# KiCad board IotThermalCamera.kicad_pcb (continued)
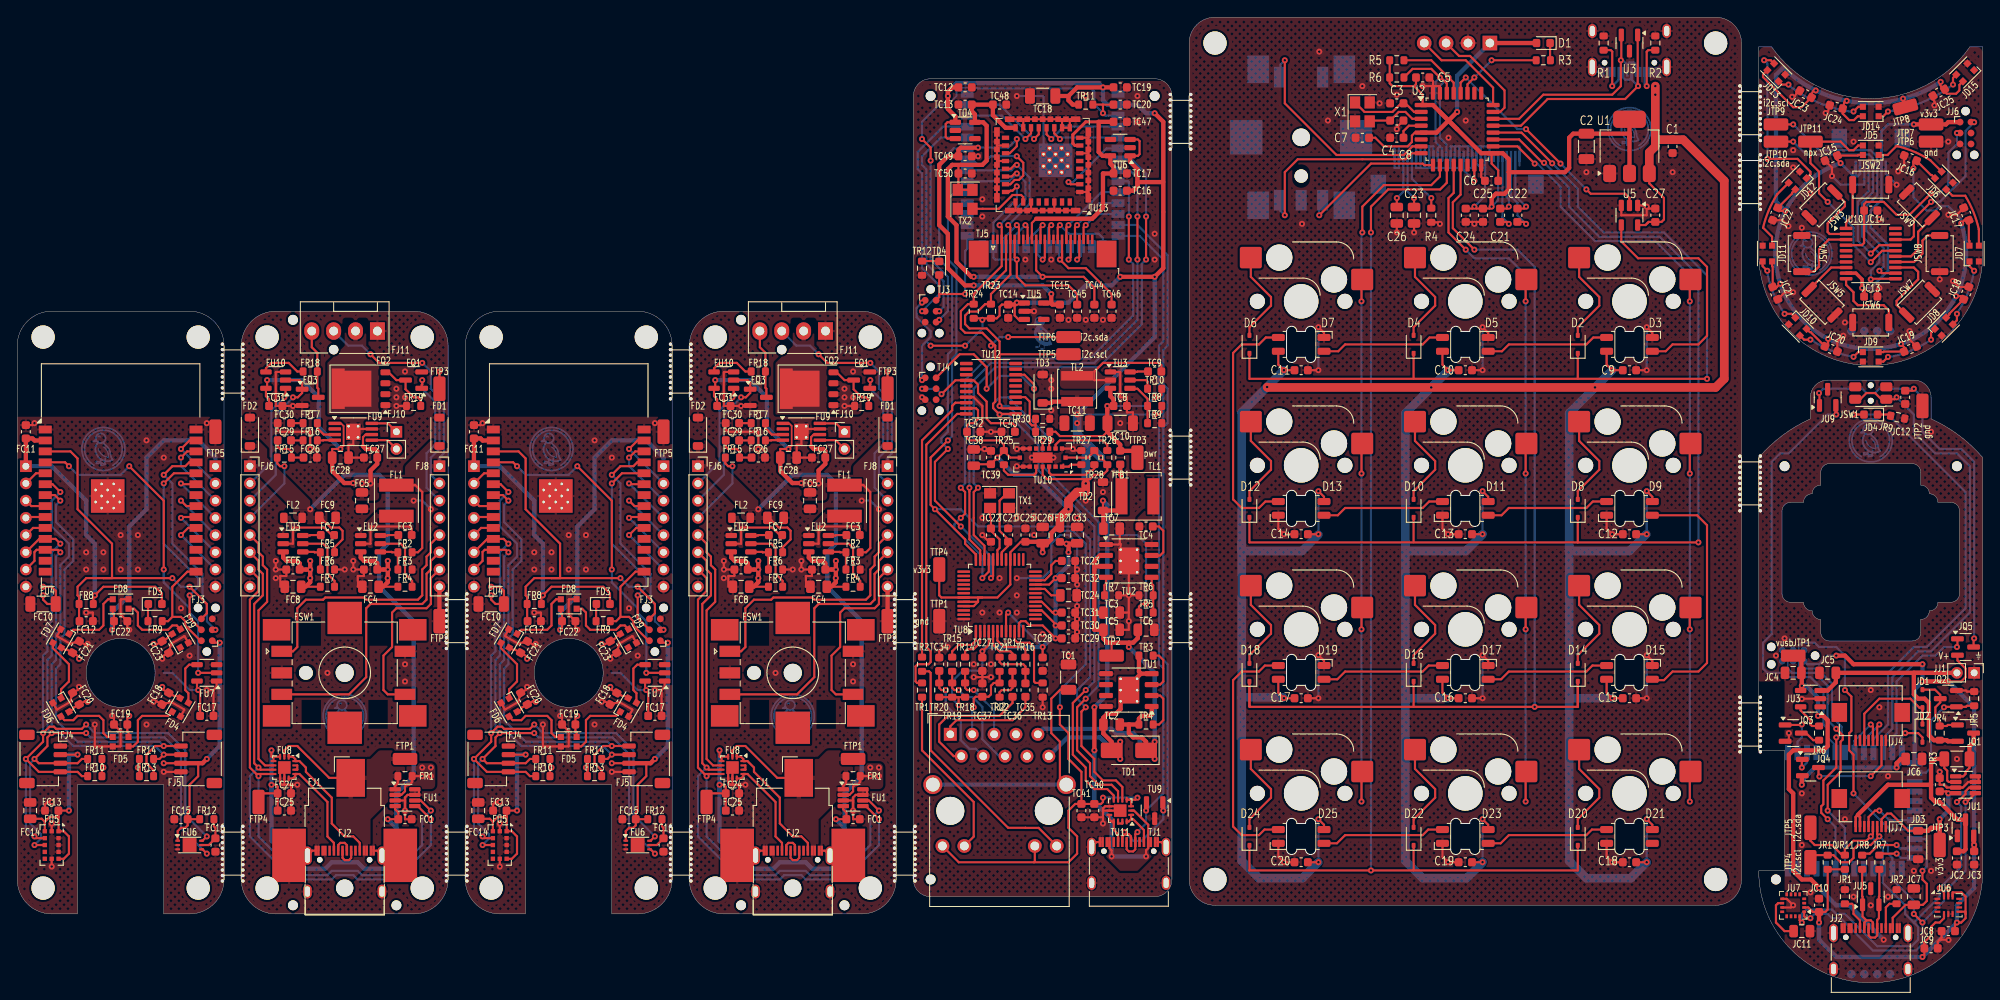
[diagram p0: board, top side]
## Routing (per net, layer and track width the routed paths; a pad name or vN(x,y) marks a point on that pad's centre or on a via; arc(x,y) is an arc through that point) (continued)
Tgnd: length 142.5
  Front w0.25: v1(105,68) 105.27,67.73 TJ4.5 ; TU13.15 116.75,100.31 ; 116.75,100.31 TU13.33 ; 116.75,100.31 121.25,100.31 ; TC29.2 122.78,40.53 v1(123,40.75) 122.78,40.97 TC30.2 122.78,42.03 v1(123,42.25) 122.78,42.47 TC31.2 ; TR13.1 v1(119,32) ; 121.25,100.31 122.25,100.31 ; 121.25,100.31 TU13.10 TU13.9 122.15,100.2 122.25,100.31 ; 122.25,100.31 TU13.33 ; TU13.25 115.85,89.75 115.8,89.69 ; v1(129,45) TR6.2 ; v1(129,45) v1(129,42) 129,41 TC5.2 ; v1(129,45) TR7.1 ; v1(129,45) TU2.9 ; TC43.2 v1(113,64) TC42.2 111.78,64.78 112,65 112,67 110.97,68.03 TU12.7 ; 124.31,91.8 124.31,96.4 ; 124.31,91.8 TU13.33 ; 124.31,91.8 124.25,91.85 TU13.1 ; 124.31,96.4 124.25,96.35 TU13.6 ; 124.31,96.4 124.31,98.2 ; TU10.C1 122.45,62.05 v1(122.5,62) 122.67,61.82 TR27.1 ; 127.5,20 TU11.9 126,20 ; v1(107.96,39.02) 107.52,39.02 107,38.5 TC34.2 ; 127.95,53 127.95,51.05 ; 127.95,51.05 128.05,50.96 TU2.9 ; 127.95,51.05 127.81,50.91 TU2.1 ; TU3.1 128,70.95 128,68 128.78,68 TC8.2 128.78,66.28 128.8,66.25 129.47,66.25 TC10.2 ; 113.69,97.25 TU13.33 ; 113.69,97.25 TU13.18 ; 113.69,97.25 TU13.33 ; v1(120.25,61) TU10.B4 v1(117.75,61) ; TJ1.A1 125.25,16.34 TJ1.S1 ; v1(116,62) 116.05,62.05 TU10.C7 TU10.C6 ; TC32.2 122.78,47.78 v1(123,48) 122.78,48.22 TC23.2 ; 126,19.22 TC40.2 TC41.2 ; TU13.27 117.65,89.75 117.6,89.69 ; 124.31,98.2 TU13.33 ; 124.31,98.2 124.25,98.15 TU13.8 ; 120.4,89.69 TU13.33 ; 120.4,89.69 117.6,89.69 ; 120.4,89.69 120.35,89.75 TU13.30 ; TC3.2 129,43 ; 126,20 126,20.25 126.25,20.5 TU11.8 127.5,20.5 ; 126,20 v1(126,18.5) ; 117.6,89.69 115.8,89.69 ; 113.75,95.5 113.8,95.45 TU13.20 ; v1(111,35.5) v1(113,35.5) ; TJ1.A12 132.75,16.34 TJ1.S1 ; 115.8,89.69 TU13.33 ; 111.62,36.22 TC27.2 TC37.2 111.83,34.78 ; TU10.A6 TU10.A7 116.05,59.95 v1(116,60) ; TC39.2 112.47,61.78 v1(112.25,62) 112.2,61.95 TC38.2 ; v1(112,52) 113,51
  Front w0.5: TU5.2 v1(118,78)
  Back w0.25: TU7#2.41 119.1,102.9 119,103 v1(116,103) ; v1(123,40.75) v1(123,48) 123,51 122,52 121,52 120,51 120,48 119,47 v1(116,47)
  vias: v1(111,37) v1(111.5,96) v1(112,91) v1(112,89) v1(112,54) v1(112,43) v1(113,37) v1(114,47) v1(114,43) v1(116,54) v1(116,45) v1(116,43) v1(117,84) v1(118,54) v1(118,52) v1(119,40.5) v1(120,84) v1(120,70) v1(120,69) v1(120,66.5) v1(120,54) v1(122,77) v1(122,38) v1(123,54) v1(123,46.25) v1(123,43.75) v1(124,103) v1(124,77) v1(124,56) v1(126,77) v1(126,57) v1(128,65) v1(130,103) v1(130,100) v1(132,87) v1(132,84)
Ti2c_chain_0.scl: length 109.3
  Front w0.25: 114,73 114,74.5 112.5,76 110.5,76 110,76.5 110,77.5 110.47,77.97 111.47,77.97 112.33,78.83 TR23.2 ; 114,73 TTP5.1 ; 114,73 v1(114,67) 114.28,66.72 TU12.12 ; TR23.2 113,80 115.25,82.25 TJ5.5 115.25,87.75 v1(115,88) ; TR23.2 112.83,78.83 ; v1(116,95) 115.75,95 115.3,94.55 TU13.21 ; v1(119,63) TU10.C4 ; v1(124,33) 123,32 123,27 124.5,25.5 124.5,24 125.5,23 127,23 127.75,22.25 TU11.6
  Back w0.25: v1(124,33) 125.5,34.5 125.5,53.5 119,60 v1(119,63) 115,67 v1(114,67) ; TU7#2.33 115.37,94.37 v1(116,95) 117.5,93.5 117.5,90.5 v1(115,88)
Ti2c_chain_0.sda: length 119.8
  Front w0.25: TU10.C3 119.75,62.75 v1(120,63) ; TU13.22 115.4,93.65 115.75,94 v1(116,94) ; TU11.7 127.25,21.75 126.5,22.5 125,22.5 124,23.5 124,25 122.5,26.5 122.5,32.5 v1(124,34) ; TTP6.1 v1(115,75) ; v1(114,88) 114.25,87.75 TJ5.3 114.25,83.25 111,80 TR24.2 110.33,78.83 109.5,78 109.5,76 110,75.5 112,75.5 113.5,74 113.5,67.5 113.25,67.25 113.25,66.75 v1(114,66) 114.08,66.07 TU12.11
  Back w0.25: v1(120,63) 115,68 114,68 113.25,67.25 113.25,66.75 v1(114,66) 115,66 118.5,62.5 118.5,59.5 125,53 125,35 v1(124,34) ; v1(114,88) 117,91 117,93 v1(116,94) 115.1,93.1 TU7#2.32 ; v1(115,75) 114,75 v1(113,74)
Tioe.ic.nrst: length 16.7
  Front w0.25: TC43.1 115.78,64.72 115.5,65 113,65 112.5,65.5 112.5,67.5 111.5,68.5 111.5,69.47 111,69.97 TU12.4 108.87,69.97 v1(107.26,68.37) ; TJ4.3 v1(105,69)
  Back w0.25: v1(107.26,68.37) 106.63,69 v1(105,69)
Tioe.ic.swio: length 20.1
  Front w0.25: v1(118,69) 118,69.5 116.88,70.62 TU12.18 ; 106.73,70.27 TJ4.2 109.36,73 111,73 112.5,71.5 v1(112.5,69)
  Back w0.25: v1(112.5,69) 114,70.5 116.5,70.5 v1(118,69)
Tledr.package.k: length 2
  Front w0.25: TD4.1 106.96,83.83 TR12.1
Tmcu.program_boot_node: length 12.9
  Front w0.25: 107,80 107,79.64 TJ3.2 ; 107,80 TD4.2 ; 107,80 v1(110,80)
  Back w0.25: TU7#2.27 110.25,85.25 110,85 v1(110,80)
Tmcu.program_en_node: length 55.6
  Front w0.25: v1(107,77) 106.73,76.73 TJ3.6 ; 126,102 v1(126,101) ; 126,102 TR11.2 ; 126,102 TC20.1 ; v1(106,95.5) 106,97 v1(105,98)
  Back w0.2: 111.5,103.88 111.42,103.96 109.17,103.96 109,103.79 109,103 108,102
  Back w0.25: v1(107,77) 108,78 108,82 106,84 v1(106,95.5) ; 108,102 107,102 105,100 v1(105,98) ; TU7#2.3 126.28,100.72 v1(126,101) 125,102 125,103.5 124.62,103.88 111.5,103.88
Tmcu.program_uart_node.a_tx: length 25.8
  Front w0.25: TJ3.4 v1(107,78)
  Back w0.25: v1(107,78) 107.5,78.5 107.5,81.5 105.5,83.5 105.5,94.5 105,95 105,96 107.18,98.18 TU7#2.36
Tmcu.program_uart_node.b_tx: length 27.7
  Front w0.25: TJ3.3 v1(105,78)
  Back w0.25: TU7#2.37 107.45,99.45 104.5,96.5 104.5,94.5 105,94 105,83 107,81 107,80 v1(105,78)
Tpd.ic.vconn: length 1
  Front w0.25: TU11.13 128.25,18.5 127.75,18.5 TU11.12
Tphy.cs: length 59.2
  Front w0.25: v1(113,47) 113.25,47.25 TU8.32 ; v1(108,62) 106.5,60.5 106.5,56 v1(109.5,53)
  Back w0.25: v1(109.5,53) 113,49.5 v1(113,47) ; TU7#2.35 108.66,96.91 107,95.25 107,84 108.5,82.5 108.5,73.5 108,73 108,64 107.25,63.25 107.25,62.75 v1(108,62)
Tphy.ic.avdd: length 67.1
  Front w0.25: TU8.8 114.75,42.75 v1(115,43) ; TU8.4 112.75,39.25 v1(112,38.5) TC27.1 ; TU8.11 116.25,41.75 116.5,42 117,42 117.5,41.5 119,41.5 v1(120.5,40) ; TR20.1 TR18.1 ; TC31.1 120.15,43 118.9,44.25 TU8.17 ; TC28.1 v1(119,39) ; TC30.1 v1(120.5,41.5) 120.5,41.65 118.9,43.25 TU8.15 ; v1(121.75,51) 121.21,51 TFB2.2 ; TR19.1 109.25,33.18 v1(109.25,32.25) ; TC32.1 v1(120.5,47) 119.75,46.25 TU8.21
  Front w0.5: v1(122,50) 122,51 ; v1(121.75,51) 122.95,51 TC33.1
  Back w0.25: v1(115,43) v1(119,39) ; v1(109.25,32.25) 108.5,33 108.5,35 109.75,36.25 111.5,36.25 112,36.75 v1(112,38.5)
  Back w0.5: v1(121.75,51) 122,50.75 v1(122,50) 122,48.5 v1(120.5,47) v1(120.5,40) 120,40 v1(119,39) 112.5,39 v1(112,38.5)
  vias: v1(120.5,43)
Tphy.ic.crystal.xtal_in: length 9
  Front w0.25: TU8.30 114.25,50 115,50.75 TC21.1 115,51.5 114,52.5 114,56 114.85,56.85 TX1.1
Tphy.ic.crystal.xtal_out: length 6.5
  Front w0.25: TX1.3 112.9,54.1 113,54 TC22.1 113,52.5 114,51.5 114,50.5 113.75,50.25 TU8.31
Tphy.ic.exres1: length 8.7
  Front w0.25: TR13.2 118.17,34.82 118,35 118,38.99 117.49,39.5 116.1,39.5 115.75,39.85 TU8.10
Tphy.ic.rxn: length 4.7
  Front w0.25: TU8.5 113.25,39.25 114,38.5 115.25,38.5 115.5,38.25 TR17.1
Tphy.ic.rxp: length 5.7
  Front w0.25: TR16.1 117,38.75 116.75,39 114.5,39 113.75,39.75 TU8.6
Tphy.ic.tocap: length 3.2
  Front w0.25: TU8.20 119.25,45.75 120,45 TC24.1
Tphy.ic.txn: length 5
  Front w0.25: TR15.1 108.5,38.5 109.25,39.25 110.75,39.25 111.25,39.75 TU8.1
Tphy.ic.txp: length 4.2
  Front w0.25: TU8.2 111.75,39.5 111,38.75 110.25,38.75 110,38.5 TR14.1
Tphy.ic.v1v20: length 4.6
  Front w0.25: TC23.1 120.5,49 120,48.5 120,47.5 119.25,46.75 TU8.22
Tphy.int: length 102
  Front w0.25: TU8.36 111.25,49.75 110,51 110,51.5 106,55.5 106,61 v1(108,63) ; TU11.5 128.25,22.75 127.5,23.5 126,23.5 125,24.5 125,26 123.5,27.5 123.5,31.5 v1(124,32)
  Back w0.25: v1(106.5,55) 109.5,55 111.5,53 123,53 124.5,51.5 124.5,35.5 123,34 123,33 v1(124,32) ; v1(108,63) 108.5,63.5 108.5,72.5 109,73 109,83 108,84 108,91 108.83,91.83 TU7#2.31
Tphy.rxn_damp.b: length 4.2
  Front w0.25: TR17.2 TC36.2 115.5,34.25 115.25,34 114.25,34 114,33.75 TR22.1
Tphy.rxp_damp.b: length 5.7
  Front w0.25: TR21.1 114,37.25 114.25,37 116.75,37 117,36.75 TR16.2 117,34.82
Tphy.spi.miso: length 65
  Front w0.25: TU8.34 112.25,50.75 111,52 111,57 v1(111.5,57.5) ; v1(131,84) v1(131,89)
  Back w0.25: TU7#2.7 129.36,95.64 131,94 v1(131,89) ; v1(111.5,57.5) 111,58 111,69 113.5,71.5 125.5,71.5 130.5,76.5 130.5,83.5 v1(131,84)
Tphy.spi.mosi: length 62.6
  Front w0.25: v1(110.5,57.5) 110.5,51.5 111.75,50.25 TU8.35 ; v1(130,84) v1(130,89)
  Back w0.25: v1(130,84) 130,77 125,72 113,72 110.5,69.5 v1(110.5,57.5) ; v1(130,89) 130,93.5 129.13,94.37 TU7#2.8
Tphy.spi.sck: length 67.4
  Front w0.25: v1(129,84) v1(129,89) ; TU8.33 112.75,47.75 v1(112,47) ; v1(109.5,54) 110,54.5 110,57 v1(109.5,57.5)
  Back w0.25: v1(109.5,54) 108.75,53.25 108.75,52.75 112,49.5 v1(112,47) ; v1(129,89) 129,93 128.9,93.1 TU7#2.9 ; v1(109.5,57.5) 110,58 110,70 112.5,72.5 124.5,72.5 129.5,77.5 129.5,83.5 v1(129,84)
Tpoe.ic.cls: length 5.4
  Front w0.25: TU1.3 132.63,34.63 133,35 133,37.5 132.5,38 TR3.2
Tpoe.ic.den: length 5.4
  Front w0.25: TR4.2 132.5,30 133,30.5 133,33 132.63,33.37 TU1.2
Tpoe.poe.neg: length 13.5
  Front w0.5: TR3.1 130.18,36.13 130.41,35.91 ; v1(128,26) v1(128,28) ; TU1.4 130.41,35.91 ; 130.41,35.91 130,35.5 ; TU1.9 128.05,31.79 127.5,31.25 126.5,31.25 126.05,30.8 TC2.2 126.05,28.95 127,28 TD1.2
Tpoe.pwr_out: length 48.9
  Front w0.25: TTP2.1 127,39.5
  Front w0.5: v1(129,39) 129,39.5 ; 129,39.5 126.5,39.5 126.05,39.95 TC5.1 125,41 125,43 ; 129,39.5 129.5,39.5 130.05,40.05 TC6.1 ; TU2.3 125,48.37 ; 132,27 TD1.1 131,28 130.5,28.5 129.5,28.5 129,29 129,30 ; 132,27 v1(132,28) ; 132,27 v1(132,26) ; 125,43 125,49 125.64,49.63 TU2.2 ; 125,43 TC3.1 ; 129,30 TC2.1 ; 129,30 TR4.1 130.18,30.68 130.5,31 131.5,31 131.65,31.15 TU1.1
  Back w0.5: 132,27 v1(132,28) 132,36 v1(129,39) ; 132,27 v1(132,26) ; 132,27 TJP1.2
Tpoe_sense.output: length 6.6
  Front w0.25: TU12.14 116.97,68.03 117.5,67.5 117.5,65 117.75,64.75 118.17,64.75 ; TR29.2 118.17,64.75 ; 118.17,64.75 TR30.1
Tpwr: length 25
  Front w0.25: v1(132,68) 132.5,68 132.78,68.28 132.78,69 ; TR29.1 120.5,64 121,63.5 126,63.5 126.47,63.97 126.53,63.97
  Front w0.5: TC10.1 126.53,63.97 128,62.5 TFB1.2 129.71,61.79 130,61.5 ; TU3.3 126.86,68.14 127.22,67.78 TC8.1 v1(126.5,67) 126.5,65.55 126.53,65.53
  Back w0.25: v1(126.5,67) 131,67 v1(132,68)
Treg_3v3.ic.boot: length 2.1
  Front w0.25: TC9.1 130,71 129.95,70.95 TU3.6
Treg_3v3.ic.en: length 2.9
  Front w0.25: TR10.2 131.18,69.82 131,70 TU3.5
Treg_3v3.ic.fb: length 5.5
  Front w0.25: 129,69 130,69 131.18,67.82 TR8.2 TR9.1
Treg_3v3.ic.sw: length 11.9
  Front w0.25: TU3.2 125,70 125,71 126,72 132.5,72 132.78,71.72 TC9.2
Treg_poe.ic.boot: length 5.4
  Front w0.25: TC4.1 132.5,53 133,52.5 133,50 132.63,49.63 TU2.7
Treg_poe.ic.fb: length 4.2
  Front w0.25: TR5.2 TR6.1 131.82,46.18 131.65,46.35 TU2.5
Treg_poe.ic.rt: length 2.2
  Front w0.25: TR7.2 126.17,46.18 126.35,46.35 TU2.4
Tusb.cc.cc1: length 3.7
  Front w0.25: TJ1.A5 127.75,17.25 127.25,17.75 TU11.11 127,18.74 126.74,19 TU11.10
Tusb.cc.cc2: length 4.8
  Front w0.25: 129.26,19.01 129.49,19.01 130.75,17.75 TJ1.B5 ; 129.26,19.01 TU11.1 129.5,19.5 ; 129.26,19.01 128.99,18.74 TU11.14
Tusb.pwr: length 78.4
  Front w0.25: v1(127,14.68) 127,15.39 126.75,15.64 TJ1.B9 ; v1(131,14.68) 131,15.39 131.25,15.64 TJ1.B4 131.25,18.35 129.6,20 TU11.2 ; TR5.1 130.18,43.68 130.5,44 v1(131,44) ; v1(126,56) TD2.1
  Front w0.5: TL1.2 128.15,58.85 128,59 TFB1.1 ; 128,55 127.85,54.85 TD2.1 126.05,54.8 TC7.1 ; 126,53.05 126.05,53 ; v1(125,32) v1(125,27)
  Back w0.25: v1(131,44) 131,51 130,52 126.5,52 126.5,52.5
  Back w0.5: v1(125,32) 126.5,33.5 126.5,55.5 v1(126,56) ; v1(125,27) 125,21 127,19 v1(127,14.68) v1(131,14.68)
Tusb_chain_0.d_N: length 83.4
  Front w0.25: 128.5,17.25 129,17.25 129.25,17 TJ1.A7 ; 128.5,17.25 v1(128.5,17.5) ; 128.5,17.25 128.25,17 TJ1.B7 ; v1(133,20) 132.95,20.05 TU9.1
  Back w0.25: v1(128.5,17.5) 129.5,16.5 130.5,16.5 133,19 v1(133,20) 133.5,20.5 133.5,37 133,37.5 133,64.5 133.5,65 133.5,69 133,69.5 133,73.5 133.5,74 133.5,84.5 129.98,88.02 TU7#2.13
Tusb_chain_0.d_P: length 80.1
  Front w0.25: TU9.2 131.05,20.05 v1(131,20) ; TJ1.A6 128.75,15.5 129,15.25 129.5,15.25 129.75,15.5 TJ1.B6 129.75,17.25 v1(130,17.5)
  Back w0.25: TU7#2.14 130.25,86.75 133,84 133,74.5 132.5,74 132.5,69 133,68.5 133,65.5 132.5,65 132.5,37 133,36.5 133,22 v1(131,20) 131,18.5 v1(130,17.5)
Tv1v2: length 30.9
  Front w0.25: TJ5.10 117.75,88.25 118.25,88.75
  Front w0.35: TU13.7 122.75,97.25 122.5,97.5 122.5,98.5 124,100 125.5,100
  Front w0.5: TC47.1 125.5,100 125.5,96.5 125.95,96.05 TU6.5 126.86,95.14 127.22,94.78 ; 127.22,94.78 127,95 ; 127.22,94.78 TC17.1 126,94 126,90 124.75,88.75 118.25,88.75
Tv2v8: length 47.9
  Front w0.25: v1(116,98) 116,97.17 115.18,96.35 TU13.19 ; TJ5.4 114.75,82.75 v1(113,81)
  Front w0.5: v1(120,80) 120,79 119.95,78.95 ; v1(111.5,97) 109.5,97 109.22,96.72 TC49.1 108,96 107,95 107,88 108,87 108,83 110,81 v1(111,81) ; 119.95,78.95 120.12,78.78 TC15.1 ; 119.95,78.95 TU5.5
  Back w0.25: v1(111.5,97) 115,97 v1(116,98)
  Back w0.5: v1(111,81) v1(113,81) 119,81 v1(120,80)
Tv3v0: length 59.9
  Front w0.25: 109.5,95 109.22,95 TC50.1 109.22,92.17 TX2.1 TX2.4 ; TJ5.11 118.25,82.75 v1(119,82) 123.75,82 125,80.75 TC44.1
  Front w0.5: TU13.16 114.69,99.31 113.22,100.78 TC48.1 TC13.1 110.78,101.22 ; 110.78,101.22 111.14,100.86 TU4.5 112.09,99.95 112.5,99.54 112.5,95.5 112,95 108.5,95 108,94.5 108,89 109,88 109,83.73 110.73,82 v1(111,82) ; 110.78,101.22 111,101
  Back w0.5: v1(119,82) v1(111,82)
Tv3v3: length 328.5
  Front w0.25: 118,14 109.26,14 TJ2.11 ; 118,14 122,14 123,15 123,17 122,18 122,20 122.78,20.78 TC41.1 ; 118,14 118.09,14.09 TJ2.13 ; TU10.B7 115.25,61 114.5,61.75 ; TU6.1 130.05,96.05 130.25,96.25 130.25,97.75 130.05,97.95 TU6.3 ; TC14.1 114.28,78.78 114,78.5 114,77.5 113.67,77.17 TR23.1 TR24.1 ; 114.5,61.75 TR25.1 114.5,62.5 114,63 110.5,63 110.22,63.28 TC42.1 110.22,64.72 110.5,65 111,65 111.5,65.5 111.5,66.5 111.28,66.72 TU12.9 ; 114.5,61.75 113,60.25 TC39.1 111.17,60.22 TC38.1 ; 114.5,61.75 v1(113.75,61) ; TU10.A4 119,59 119.5,58.5 124.5,58.5 125,59 126,59 126.5,59.5 TR26.1 126.5,60.25 125.62,61.12 ; TU11.3 129.26,21.24 129.24,21.26 TU11.4 129.76,21.26 v1(130,21.5) ; 125.62,61.12 v1(125.75,61) ; 125.62,61.12 125,61.75 ; TU8.44 111.5,44.25 ; 111.5,44.25 111.5,44.75 112,44.75 ; 111.5,44.25 111,43.75 TU8.45 ; v1(116,79) 115.75,78.75 115.75,77.5 116.2,77.05 TU5.3 ; TU4.1 107.95,99.95 107.75,99.75 107.75,98.25 107.95,98.05 TU4.3 ; 112,44.75 113.75,44.75 115.25,46.25 TU8.28 115.25,50 116.47,51.22 TC25.1 ; 112,44.75 TU8.43 107.25,44.75 107,45 TTP4.1 ; 125,61.75 124.25,61 TU10.B1 ; 125,61.75 TR28.1 ; v1(105,79) 105.27,79.27 TJ3.1 ; v1(121,32) 121,30 122,29 122,26 123.5,24.5 TC41.1 ; v1(132,66) 132.5,66 132.78,66.28 132.78,67 ; v1(126,21.5) 126,21 125.78,20.78 TC40.1 TC41.1 ; v1(106,74) v1(110,74) ; v1(105,70) 105.27,70.27 TJ4.1
  Front w0.5: TC26.1 118.83,51.22 TC25.1 ; TC26.1 119.55,51.05 120,51.5 120,52.25 120.54,52.79 TFB2.1 ; TC26.1 v1(119,50) ; 122,103 123,104 v1(126,104) TC19.1 ; 122,103 122,102.5 122.5,102 TR11.1 ; 122,103 TC18.1 ; TU6.1 129.14,95.36 130,94.5 130,92.5 ; 130,92.5 129.5,92 TC16.1 ; 130,92.5 130,93 133,93 ; TU5.1 116.05,78.95 v1(116,79) 115.78,78.78 TC14.1 ; v1(132,101) 133,100 133,83 v1(132,82) v1(128,82) ; TD3.1 120,67.35 120.15,67.5 TL2.2 ; TC12.1 108.5,104 108,103.5 108,101.5 108.86,100.64 TU4.1
  Front w1: TFB2.1 121,54 v1(122,55) 122,56 123,57 v1(124,57) v1(124,58)
  Back w0.25: v1(123,66) v1(132,66) ; v1(110,74) 112,76 v1(112,77) ; v1(130,21.5) v1(126,21.5) ; v1(119,50) 119,51 120.5,52.5 122.5,52.5 124,51 124,37 121,34 v1(121,32) ; 105.5,74.5 v1(106,74) ; v1(105,79) 104.38,78.38 104.38,77.31 106,75.68 106,75 105,74 v1(105,70)
  Back w0.5: v1(113.75,61) 115.75,59 118,59 v1(122,55) ; v1(108,103) 108,103.5 109,104.5 125.5,104.5 v1(126,104) 126,102.5 126.51,101.99 TU7#2.2 130.01,101.99 131,101 v1(132,101) ; v1(128,82) 127,81 124,81 122,79 v1(116,79) ; v1(132,82) 132,75 v1(123,66) ; v1(124,57) v1(124,58)
  Back w1: v1(123,66) 123,63.75 v1(125.75,61) 124.88,61.88 124.75,61.88 124,61.12 v1(124,58)
  vias: v1(123,65)
usb.conn.cc.cc1: length 7
  Front w0.25: R1.2 184.93,108.33 185.1,108.15 v1(185.1,104.15)
  Back w0.25: v1(185.1,104.15) 185.85,104.9 J1.A5
usb.conn.cc.cc2: length 6.8
  Front w0.25: v1(189.1,104.15) 189.1,108.15 189.28,108.33 R2.2
  Back w0.25: v1(189.1,104.15) 188.85,104.4 J1.B5
usb.gnd: length 141.4
  Front w0.25: C25.2 169.32,88.38 v1(169.1,88.15) 168.88,88.38 C24.2 ; C17.2 v1(151,33.05) ; C14.2 v1(147,52.1) 146.35,52.75 D13.3 ; R4.1 164.93,88.33 v1(165.1,88.15) ; v1(151,76.15) 151.65,75.5 D7.3 ; 190.1,89.92 189.32,89.92 ; 189.32,89.92 v1(189.1,90.15) 189.1,89.15 186.15,89.15 U5.3 ; 189.32,89.92 188.96,90.29 U5.1 ; v1(163.1,104.15) 165.1,104.15 U2.31 ; 168.82,33.05 v1(170.05,33.05) ; U2.16 169.9,93.58 C6.2 ; D5.3 170.7,75.5 v1(170.05,76.15) ; v1(170.05,38.05) 170.7,37.4 D17.3 ; D19.3 151.65,37.4 v1(151,38.05) ; D21.3 184.45,14.65 v1(185.1,14) C18.2 ; C15.2 v1(189.1,33.05) ; C13.2 v1(166.05,52.1) 165.4,52.75 D11.3 ; D15.3 189.75,37.4 v1(189.1,38.05) ; 168.82,71.15 v1(170.05,71.15) ; v1(160.1,99.15) 160.1,99.38 C4.2 ; D3.3 189.75,75.5 v1(189.1,76.15) ; C12.2 v1(185.1,52.1) 184.45,52.75 D9.3 ; C19.2 v1(166.05,14) 165.4,14.65 D23.3 ; D25.3 146.35,14.65 v1(147,14) C20.2 ; C26.2 v1(160.1,87.15) ; C11.2 v1(151,71.15) ; C23.2 v1(162.1,87.15) ; C5.2 164.3,104.72 U2.32 ; C9.2 v1(189.1,71.15)
  Back w0.25: 163.85,94.65 J3.22 163.85,97.15 ; 164.35,94.65 J3.21 164.35,97.15 159.85,97.15 J3.30 159.85,94.65 160.35,94.65 J3.29 160.35,97.15 ; 174.35,97.15 J3.1 174.35,94.9 ; v1(170.05,38.05) v1(170.05,33.05) ; v1(189.1,38.05) v1(189.1,33.05) ; 166.35,94.65 J3.17 166.35,97.15 170.85,97.15 J3.8 ; 166.85,94.65 J3.16 166.85,97.15 ; v1(189.1,76.15) v1(189.1,71.15) ; v1(151,38.05) v1(151,33.05) ; 162.35,97.15 J3.25 162.35,94.65 167.35,94.65 J3.15 167.35,97.15 ; 168.35,97.15 J3.13 168.35,94.65 168.85,94.65 J3.12 168.85,97.15 ; J3.10 169.85,97.15 ; 162.85,97.15 J3.24 162.85,94.65 ; 163.35,94.65 J3.23 163.35,97.15 ; J1.S1 183.34,105.81 J1.A1 ; v1(151,76.15) v1(151,71.15) ; J1.S1 190.85,105.81 J1.A12 ; v1(170.05,76.15) v1(170.05,71.15)
  vias: v1(149.1,88.15) v1(151.1,108.15) v1(152.1,100.15) v1(156.1,104.15) v1(158.1,102.15) v1(160.1,103.15) v1(166.1,98.15) v1(168.1,100.15) v1(182.1,94.15) v1(192.1,94.15)
usb.pwr: length 431.2
  Front w0.25: C16.1 v1(166.05,33.05) 165.4,33.7 D17.1 ; D15.1 184.45,33.7 v1(185.1,33.05) C15.1 ; v1(189.1,57.1) 189.75,56.45 D9.1 ; D13.1 151.65,56.45 v1(151,57.1) ; U5.5 188.96,88.01 189.32,88.38 ; C17.1 v1(147,33.05) 146.35,33.7 D19.1 ; v1(170.05,57.1) 170.7,56.45 D11.1 ; D7.1 146.35,71.8 v1(147,71.15) C11.1 ; 168.82,52.1 v1(170.05,52.1) ; v1(170.05,19) 170.7,18.35 D23.1 ; D5.1 165.4,71.8 v1(166.05,71.15) C10.1 ; 189.32,88.38 C27.1 190.82,88.38 191.1,88.65 191.1,91.15 189.4,92.85 U1.3 ; 189.32,88.38 189.1,88.15 ; D21.1 189.75,18.35 v1(189.1,19) ; D25.1 151.65,18.35 v1(151,19) ; C20.1 v1(151,14) ; C14.1 v1(151,52.1) ; D3.1 184.45,71.8 v1(185.1,71.15) C9.1 ; C12.1 v1(189.1,52.1) ; 168.82,14 v1(170.05,14) ; C18.1 v1(189.1,14)
  Front w1: v1(190.1,104.15) 190.1,98.15 ; 190.1,98.15 190.1,97.92 193.32,97.92 198.1,93.15 198.1,70.15 197.1,69.15 v1(183.1,69.15) 145.1,69.15 v1(145.05,69.2) ; 190.1,98.15 190.1,97.15 189.4,96.45 U1.3
  Back w0.25: v1(189.1,19) v1(189.1,14) ; v1(170.05,19) v1(170.05,14) ; v1(189.1,57.1) v1(189.1,52.1) ; v1(151,19) v1(151,14) ; v1(151,57.1) v1(151,52.1) ; v1(170.05,57.1) v1(170.05,52.1)
  Back w0.5: 161.2,33.05 161.1,33.15 ; v1(147,33.05) 146.9,33.15 ; v1(151,52.1) 151,52.05 ; v1(166.05,71.15) 166.05,71.1 ; v1(189.1,52.1) 189.05,52.1 ; 180.2,33.05 180.1,33.15
  Back w1: v1(170.05,52.1) 168.1,50.15 161.1,50.15 161.1,51.15 ; v1(170.05,14) 168.2,12.15 163.1,12.15 161.1,14.15 161.1,51.15 ; 166.05,71.1 161.1,66.15 161.1,51.15 ; 180.1,51.15 180.1,66.15 v1(185.1,71.15) ; 180.1,51.15 180.1,14.15 182.1,12.15 187.25,12.15 v1(189.1,14) ; 180.1,51.15 180.1,50.15 187.1,50.15 189.05,52.1 ; 151,52.05 149.1,50.15 142.1,50.15 142.1,51.15 ; v1(147,71.15) 142.1,66.25 142.1,51.15 ; v1(185.1,33.05) 180.2,33.05 ; 142.1,51.15 142.1,33.15 ; 142.1,33.15 142.1,14.15 144.1,12.15 149.15,12.15 v1(151,14) ; 142.1,33.15 146.9,33.15 ; v1(166.05,33.05) 161.2,33.05
  vias: v1(164.1,69.15) v1(190.1,103.15)
usb.usb.dm: length 29.2
  Front w0.25: U2.21 174.5,99.55 177.6,102.65 186.6,102.65 v1(188.1,104.15) 188.05,104.2 U3.1
  Back w0.25: J1.B7 186.35,105.15 186.6,104.9 187.1,104.9 187.35,105.15 J1.A7 187.35,104.9 v1(188.1,104.15)
usb.usb.dp: length 27
  Front w0.25: U2.22 174.3,100.35 177.1,103.15 185.1,103.15 186.1,104.15 v1(186.1,107.15) 186.15,107.2 U3.2
  Back w0.25: v1(186.1,107.15) 186.33,107.15 186.85,106.63 J1.A6 186.85,106.65 187.1,106.9 187.6,106.9 187.85,106.65 J1.B6

## Copper pours and planes (outline as drawn; the poured copper is in the pictures)
Fcontrol_control.gnd on Front, Back: 80,-5 48,-5 48,77 80,77
Fcontrol_control.gnd on Front, Back: 28,-5 -4,-5 -4,77 28,77
Fcontrol_control.v3v3 on Back: 4,25 4,29.5 6,27.5 17,27.5 17,25
Fcontrol_control.v3v3 on Back: 56,25 56,29.5 58,27.5 69,27.5 69,25
Fcontrol_control.v3v3 on Back: 52,61 52,23 56,23 56,61
Fcontrol_control.v3v3 on Back: 0,61 0,23 4,23 4,61
Fcontrol_control.v5 on Back: 62,41 66,41 69,38 69,34 66,31 62,31 59,34 59,38
Fcontrol_control.v5 on Back: 10,41 14,41 17,38 17,34 14,31 10,31 7,34 7,38
Ffan.pwr on Front: 94,66 88,66 88,72 90,74 90,77 92.5,77 92.5,74 94,72.5
Ffan.pwr on Front: 42,66 36,66 36,72 38,74 38,77 40.5,77 40.5,74 42,72.5
Fgnd on Front, Back: 54,-5 22,-5 22,79 54,79
Fgnd on Front, Back: 106,-5 74,-5 74,79 106,79
Fpwr.pwr on Front: 35.25,16 35.25,13.75 37,12 39,12 40.75,13.75 40.75,16
Fpwr.pwr on Front: 37,26 41,26 42,27 45,27 45,21 43,21 41,19 41,15.5 37,15.5
Fpwr.pwr on Front: 87.25,16 87.25,13.75 89,12 91,12 92.75,13.75 92.75,16
Fpwr.pwr on Front: 89,26 93,26 94,27 97,27 97,21 95,21 93,19 93,15.5 89,15.5
Freg_3v3.ic.sw on Front: 83.5,53 83,53 83,55 84,55 84,54 84.5,53.5 84.5,50.5 83.5,50.5
Freg_3v3.ic.sw on Front: 31.5,53 31,53 31,55 32,55 32,54 32.5,53.5 32.5,50.5 31.5,50.5
Freg_5v.ic.sw on Front: 40.5,53.5 42,55 46,55 46,52.5 41.5,52.5 41.5,50.5 40.5,50.5
Freg_5v.ic.sw on Front: 92.5,53.5 94,55 98,55 98,52.5 93.5,52.5 93.5,50.5 92.5,50.5
Fv3v3 on Front: 32,55 36,55 36,53 33,53 32,54
Fv3v3 on Front: 78,63 80,63 81,62 81,61 86,56 86,55 84,55 80,59 78,59
Fv3v3 on Front: 26,63 28,63 29,62 29,61 34,56 34,55 32,55 28,59 26,59
Fv3v3 on Front: 84,55 88,55 88,53 85,53 84,54
Fv5 on Front: 39,56 42,56 42,57 46,57 46,59 39,59
Fv5 on Front: 45,57 45,60 48,63 50,63 50,59 48,59 48,57
Fv5 on Front: 97,57 97,60 100,63 102,63 102,59 100,59 100,57
Fv5 on Front: 91,56 94,56 94,57 98,57 98,59 91,59
Fv5 on Back: 41,58 41,53 35,47 34,47 34,49 39,54 39,58
Fv5 on Back: 93,58 93,53 87,47 86,47 86,49 91,54 91,58
Fvin on Front: 42,70 42,66 46,66 46,68 45,69 45,70
Fvin on Front: 94,70 94,66 98,66 98,68 97,69 97,70
Fvin on Front: 100.5,22.5 97,22.5 97,25.5 100.5,25.5
Fvin on Front: 48.5,22.5 45,22.5 45,25.5 48.5,25.5
Fvin on Back: 51,24 51,70 43,70 43,45 46,42 46,24
Fvin on Back: 103,24 103,70 95,70 95,45 98,42 98,24
Jbtns_btns.gnd on Front, Back: 201.1,137.7 201.1,70.7 229.1,70.7 229.1,137.7
Jgnd on Front, Back: 201.1,71 201.1,-1 229.1,-1 229.1,71
Jvusb on Front: 212.35,7 212.35,4.75 214.1,3 216.1,3 217.85,4.75 217.85,7
Tgnd on Front, Back: 135,8.32 103,8.32 103,105.83 135,105.83
Treg_3v3.ic.sw on Front: 121,69 125.5,69 126,69.5 127.5,69.5 127.5,70.5 126,70.5 125,71.5 121,71.5
Treg_poe.ic.sw on Front: 131,59 131,55 130,54 130,50 133,50 133,59
Tusb.pwr on Front: 126.25,17 126.25,14.75 128,13 130,13 131.75,14.75 131.75,17
Tv3v3 on Front: 121,69 121,66 123,66 123,64 125,64 125,69
usb.gnd on Front, Back: 201.1,113.15 135.1,113.15 135.1,8.15 201.1,8.15
usb.pwr on Back: 190.6,105.65 189.1,105.65 189.1,101.65 190.6,101.65
usb.pwr on Back: 184.35,105.15 184.35,107.4 186.1,109.15 188.1,109.15 189.85,107.4 189.85,105.15

## Text on the board
B.Silkscreen: FLIR Lepton / RGB / Camera Board / v2 Jun'26 | IoT Fan/NPX / Ctl Jun 26 | IoT Fan/NPX / Jun 26 | BLE Joystick Btns / Jun '26  rv2 | BLE Joystick / Jun'26  rv2 | EDG Macropad / rv1 Jun'26
F.Silkscreen: V+ | ⏚
